# Allegro board DPU_PoE_A1_SizeReduce.brd (continued)
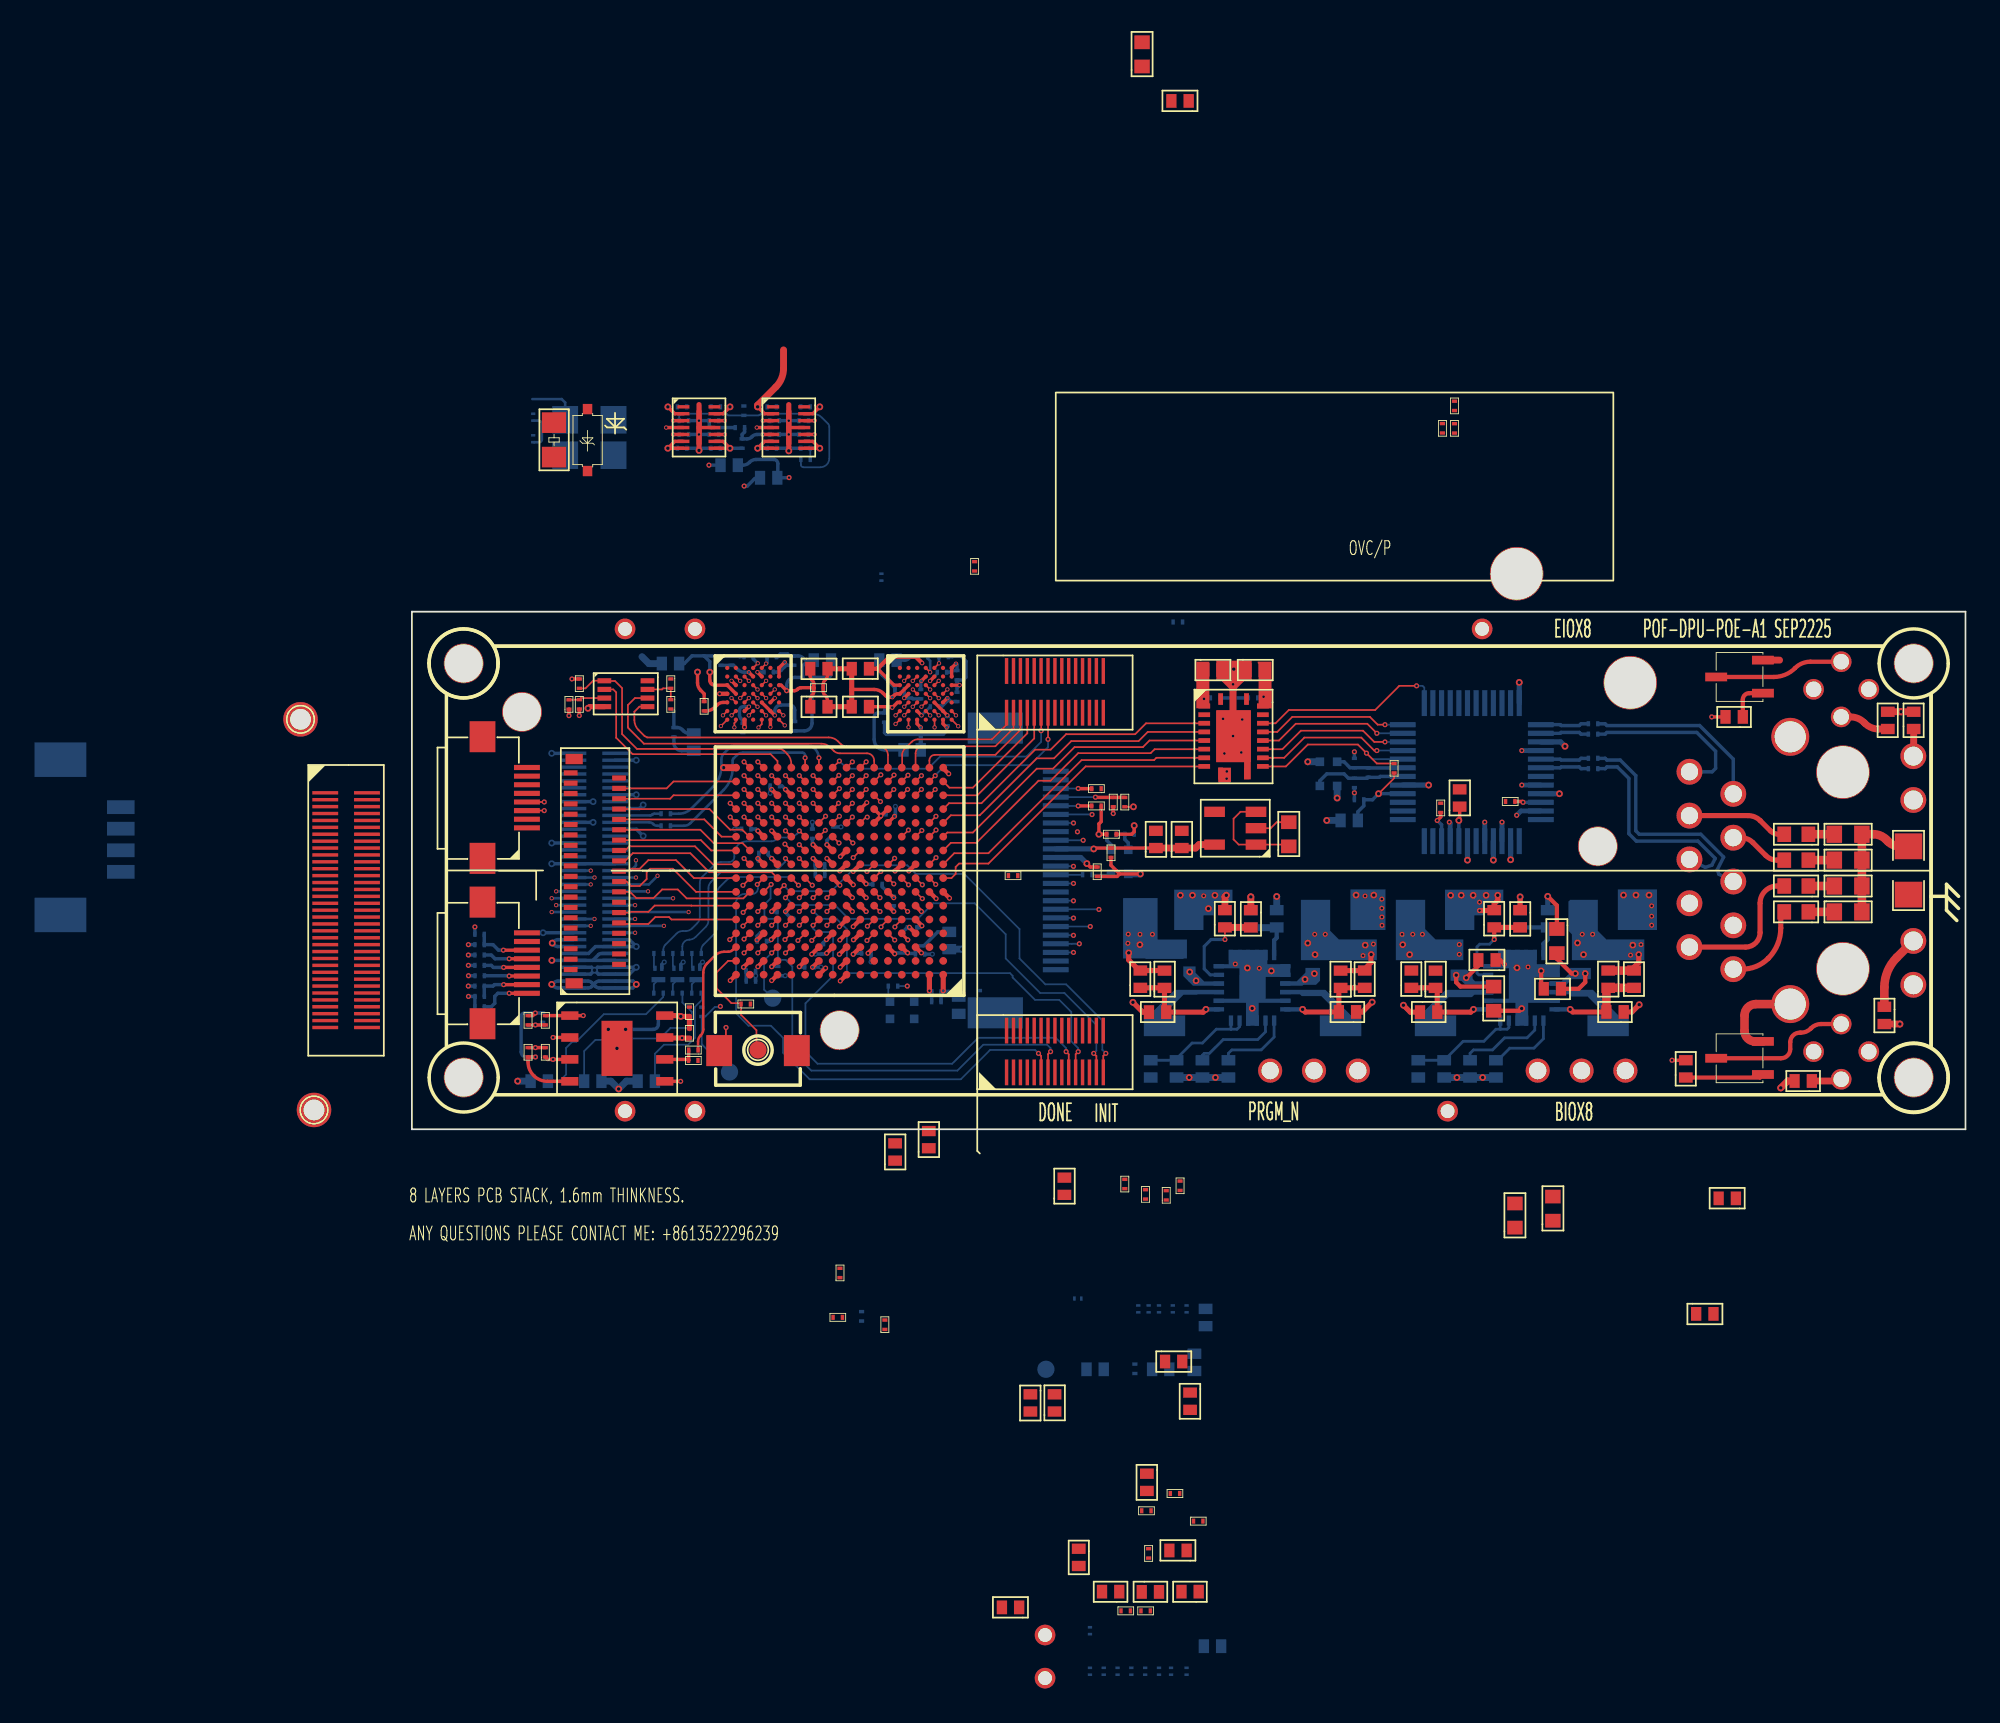
[diagram p0: board, top side]
## Routing (per net, layer and track width the routed paths; a pad name or vN(x,y) marks a point on that pad's centre or on a via; arc(x,y) is an arc through that point) (continued)
IO-7: length 8.1
  TOP w0.102: Y1.28 16.71,17.36 17.49,16.58 19.16,16.58 19.58,16.16 19.58,16.12
IO-8: length 7
  TOP w0.102: Y1.26 16.74,16.76 17.34,16.16 18.78,16.16
IO-9: length 7.3
  TOP w0.102: 12,16.16 12.36,16.16 12.6,16.4 16.4,16.4 17.44,15.36 U7.J16
IO-10: length 10
  TOP w0.102: U7.H13 20.84,14.9 17.23,14.9 16.13,16 12.8,16 12.36,15.56 Y1.22
IO-11: length 7.5
  TOP w0.102: Y1.20 12.56,14.96 12.7,15.1 13.2,15.1 13.7,15.6 15.3,15.6 16.34,14.56 U7.H16
IO-12: length 8.1
  TOP w0.102: U7.G16 16.46,13.76 15.12,15.1 13.8,15.1 13.6,14.9 13.6,14.5 13.2,14.1 12.7,14.1 12.44,14.36 Y1.18
IO-13: length 8.3
  TOP w0.102: Y1.16 12.64,13.76 13,13.4 14,13.4 14.5,13.9 15.4,13.9 15.92,13.38 19.2,13.38 U7.G15
IO-14: length 7
  TOP w0.102: Y1.12 12.56,12.56 12.6,12.6 13.7,12.6 14.07,12.97 16.19,12.97 16.19,12.96 U7.F16
IO-15: length 7
  TOP w0.102: U7.E16 15.04,12.16 14.9,12.3 14.1,12.3 13.7,11.9 12.06,11.9 Y1.10
IO_E10: length 27.2
  TOP w0.102: v1(23.24,11.82) U7.E10 ; J4.19 38.05,4.35 v1(37.9,4.5)
  BOTTOM w0.102: v1(37.9,4.5) 37.9,4.7 37.3,5.3 32.8,5.3 31.3,3.8 23.5,3.8 22.8,4.5 22.8,7.3 24.4,8.9 24.4,11.33 24.3,11.43 23.45,11.43 23.24,11.64 v1(23.24,11.82)
IO_F10: length 23.1
  TOP w0.102: J4.21 38.45,4.35 v1(38.6,4.5) ; v1(23.24,12.62) U7.F10
  BOTTOM w0.102: v1(23.24,12.62) 23.28,12.62 23.7,12.2 24.6,12.2 25.2,11.6 25.2,9.15 25.3,9.05 34.65,9.05 34.8,8.9 34.8,8.8 36.1,7.5 37.5,7.5 38.2,6.8 38.2,5.1 38.6,4.7 v1(38.6,4.5)
IO_G12: length 26
  TOP w0.102: v1(21.64,13.42) U7.G12 ; J4.27 39.65,4.25 v1(39.5,4.4)
  BOTTOM w0.102: v1(21.64,13.42) 21.68,13.42 22.1,13 24.5,13 25.3,12.2 29.3,12.2 30.2,13.1 32.6,13.1 34.4,11.3 34.4,9.9 36.4,7.9 37.8,7.9 39.65,6.05 39.65,4.55 v1(39.5,4.4)
IO_G13: length 27.6
  TOP w0.102: v1(40.2,4.4) 40.05,4.25 J4.29 ; v1(21.56,14.13) 21.55,14.13 U7.G13
  BOTTOM w0.102: v1(21.56,14.13) 21.58,14.12 21.58,14.09 21.87,13.8 24.3,13.8 25.8,15.3 28.7,15.3 29.2,14.8 32,14.8 35.2,11.6 35.2,9.9 36.7,8.4 37.9,8.4 40,6.3 40,4.6 v1(40.2,4.4)
IO_G14: length 29.2
  TOP w0.102: v1(37,4.5) 36.85,4.35 J4.13 ; U7.G14 v1(20.81,14.19)
  BOTTOM w0.102: v1(20.81,14.19) 20.78,14.16 20.78,13.38 20.42,13.02 20.42,12.38 20.6,12.2 21.1,12.2 21.2,12.1 21.2,10.01 21.39,9.82 21.65,9.82 22.04,9.43 22.04,4.5 23.14,3.4 31.6,3.4 33.1,4.9 36.8,4.9 37,4.7 v1(37,4.5)
IO_H14: length 30.5
  TOP w0.102: J4.11 36.45,4.25 v1(36.3,4.4) ; v1(20.01,14.19) U7.H14
  BOTTOM w0.102: v1(36.3,4.4) 36.1,4.6 33.5,4.6 31.8,2.9 23.04,2.9 21.5,4.44 21.5,5.3 20.8,6 19.5,6 18.78,6.72 18.78,13.13 arc(18.93,13.49) 19.29,13.64 19.73,13.64 arc(19.95,13.73) 20.04,13.95 20.04,14.16 v1(20.01,14.19)
IO_LED_1: length 13
  TOP w0.102: v1(22.44,17.3) U7.L11
  BOTTOM w0.102: R80.1 14.56,10.39 arc(14.6,10.56) 14.69,10.7 15.33,11.34 arc(15.5,11.45) 15.69,11.49 15.87,11.49 arc(16.06,11.53) 16.23,11.64 16.53,11.94 arc(16.64,12.11) 16.68,12.3 16.68,14.28 arc(16.72,14.47) 16.83,14.64 17.53,15.34 arc(17.7,15.45) 17.89,15.49 18.38,15.49 arc(18.59,15.58) 18.68,15.79 18.68,15.97 arc(18.89,16.48) 19.4,16.69 20.83,16.69 arc(20.97,16.72) 21.08,16.79 21.1,16.81 arc(21.21,16.89) 21.35,16.91 21.79,16.91 arc(22.08,16.97) 22.33,17.14 22.44,17.25 22.44,17.26
IO_LED_2: length 10.3
  TOP w0.102: U7.J12 v1(21.64,15.7)
  BOTTOM w0.102: 21.64,15.66 21.64,15.58 arc(21.63,15.53) 21.6,15.48 21.26,15.14 arc(21.09,15.03) 20.9,14.99 18.91,14.99 18.91,14.99 18.19,14.99 arc(18,14.95) 17.83,14.84 17.33,14.34 arc(17.22,14.17) 17.18,13.98 17.18,12.1 arc(17.14,11.91) 17.03,11.74 16.43,11.14 arc(16.26,11.03) 16.07,10.99 arc(15.78,10.87) 15.66,10.59 R79.1
IO_LED_3: length 9.8
  TOP w0.102: v1(22.39,14.14) U7.H12
  BOTTOM w0.102: R78.1 16.77,10.39 arc(16.8,10.56) 16.89,10.7 17.53,11.34 arc(17.64,11.51) 17.68,11.7 17.68,13.68 arc(17.72,13.87) 17.83,14.04 18.21,14.42 arc(18.43,14.57) 18.7,14.62 21.92,14.62 v1(22.39,14.14)
IO_P1: length 8.1
  TOP w0.102: J2.9 36.05,22.65 32.76,19.36 U7.P1
IO_R1: length 7.5
  TOP w0.102: J2.7 35.65,22.95 32.5,19.8 31.14,19.8 30.78,20.16
IO_R2: length 9.7
  TOP w0.102: v1(30.32,20.5) 29.98,20.16 ; v1(36.85,22.6) J2.13
  BOTTOM w0.102: v1(36.85,22.6) 36.85,22.15 35.8,21.1 30.9,21.1 30.32,20.52 v1(30.32,20.5)
  BOTTOM w0.2: 30.32,20.46 v1(30.32,20.5)
IO_T2: length 7.5
  TOP w0.102: U7.T2 29.98,21.38 arc(30.07,21.61) 30.3,21.7 33.8,21.7 35.25,23.15 J2.5
  TOP w0.12: U7.T2 29.98,20.92
IO_T3: length 8.1
  TOP w0.102: U7.T3 29.18,21.78 arc(29.3,22.08) 29.6,22.2 33.8,22.2 34.85,23.25 J2.3
  TOP w0.12: U7.T3 29.18,20.92
IO_T4: length 8.3
  TOP w0.102: J2.1 34.45,23.45 33.6,22.6 29.31,22.6 arc(29.12,22.56) 28.95,22.45 28.55,22.05 arc(28.44,21.88) 28.4,21.69 28.4,20.98 U7.T4
  TOP w0.12: U7.T4 28.38,20.92
IO_T9: length 14.7
  TOP w0.102: J2.11 v1(36.45,23.1) ; v1(24.77,21.34) U7.T9
  BOTTOM w0.102: v1(36.45,23.1) 36.45,22.45 35.6,21.6 30.6,21.6 29.9,20.9 25.21,20.9 v1(24.77,21.34)
IR_1V8: length 6.2
  TOP w0.2: U5.13 18.03,41.47 v3(18.43,41.87)
  BOTTOM w0.2: 10.48,9.79 J7.9 v3(8.11,9.79) ; 10.48,9.79 10.82,10.13 arc(10.89,10.17) 10.96,10.19 J7.12 ; 10.48,9.79 J7.10
IR_1V8_EN: length 14.5
  TOP w0.2: U5.3 v2(15.13,41.07)
  BOTTOM w0.102: R74.2 22.54,38.51 arc(22.58,38.41) 22.68,38.37 23.67,38.37 arc(24.03,38.52) 24.18,38.88 24.18,40.72 arc(24.16,40.81) 24.11,40.89 23.75,41.25 arc(23.51,41.41) 23.22,41.47 20.29,41.47 arc(20.23,41.46) 20.19,41.43 20.18,41.42 arc(20.13,41.39) 20.08,41.38 C108.2 18.32,41.38 18.23,41.47 15.68,41.47 arc(15.54,41.41) 15.49,41.28 R71.2
  BOTTOM w0.2: v2(15.13,41.07) R71.2
IR_3V3: length 5.8
  TOP w0.2: U6.9 23.23,39.87 v3(23.63,39.47) U6.8
  BOTTOM w0.102: R74.1 23.08,39.46 C118.2
  BOTTOM w0.2: J7.15 8.45,10.99 arc(8.34,10.97) 8.24,10.9 v3(8.13,10.79) 8.24,10.68 arc(8.34,10.61) 8.45,10.59 J7.13 ; C118.2 v3(23.63,39.47)
IR_3V3_EN: length 3
  TOP w0.2: U6.5 v2(20.33,40.27)
  BOTTOM w0.2: C112.2 19.27,40.41 19.13,40.27 R75.2 19.41,40.01 arc(19.56,40.04) 19.69,40.13 19.72,40.16 arc(19.84,40.24) 19.99,40.27 v2(20.33,40.27) R72.2
IR_5V0: length 13.6
  TOP w0.2: U5.9 18.03,39.87 v3(18.43,39.47) U5.8
  BOTTOM w0.2: 10.53,8.39 10.64,8.28 arc(10.74,8.21) 10.85,8.19 J7.2 12.79,8.19 v3(13,8.4) 12.81,8.59 J7.4 10.85,8.59 arc(10.74,8.57) 10.64,8.5 10.53,8.39 ; 10.53,8.39 10.42,8.28 arc(10.32,8.21) 10.21,8.19 J7.1 8.45,8.19 arc(8.34,8.21) 8.24,8.28 8.12,8.4 ; 10.53,8.39 10.42,8.5 arc(10.32,8.57) 10.21,8.59 J7.3 8.45,8.59 arc(8.34,8.57) 8.24,8.5 8.14,8.4 8.12,8.4 ; R75.1 v3(18.43,39.47) C120.2 ; 8.12,8.4 v3(8.1,8.4)
IR_D0: length 14.4
  TOP w0.102: v1(19.18,11.78) 19.56,12.16 U7.E15
  SIG-3 w0.102: v1(19.18,11.78) 19.34,11.62 19.4,11.62 arc(19.5,11.64) 19.58,11.69 19.67,11.78 arc(19.74,11.94) 19.67,12.1 arc(19.57,12.17) 19.45,12.19 18.88,12.19 arc(18.77,12.15) 18.73,12.04 18.73,11.82 arc(18.7,11.75) 18.63,11.72 18.45,11.72 18.38,11.79 18.38,12.04 arc(18.34,12.15) 18.23,12.19 18.22,12.19 arc(18.09,12.16) 17.98,12.09 17.65,11.76 arc(17.62,11.69) 17.65,11.62 17.75,11.52 arc(17.79,11.41) 17.75,11.31 17.68,11.24 arc(17.58,11.2) 17.48,11.24 17.35,11.37 17.23,11.37 17.11,11.25 17.08,11.11 17.08,10.89 arc(17.04,10.78) 16.93,10.74 16.6,10.74 16.53,10.81 16.53,10.85 16.42,10.96 16.35,10.96 16.11,10.72 15.9,10.72 15.83,10.79 15.83,11.06 15.78,11.11 15.5,11.11 15.48,11.09 15.48,10.95 arc(15.46,10.85) 15.4,10.76 15.38,10.74 arc(15.28,10.7) 15.18,10.74 15.14,10.78 arc(15.1,10.85) 15.08,10.93 15.08,11.04 15.01,11.11 14.8,11.11 14.78,11.09 14.78,10.84 arc(14.75,10.77) 14.68,10.74 14.48,10.74 arc(14.41,10.77) 14.38,10.84 14.38,10.93 14.21,11.1 14.09,11.1 arc(14.05,11.03) 14.03,10.95 14.03,10.84 arc(14,10.77) 13.93,10.74 13.73,10.74 arc(13.66,10.77) 13.63,10.84 13.63,10.96 13.53,11.06 13.41,11.06 13.28,10.93 arc(13.26,10.85) 13.22,10.78 13.21,10.77 arc(13.11,10.73) 13,10.77 12.99,10.78 arc(12.95,10.85) 12.93,10.93 v2(12.93,11.39)
  BOTTOM w0.15: J7.18 v2(12.93,11.39)
IR_D1: length 15.2
  TOP w0.102: v1(21.64,11.82) U7.E12
  SIG-3 w0.102: v2(10.36,11.79) 10.58,11.79 arc(10.83,11.69) 10.93,11.44 10.93,10.29 arc(10.96,10.22) 11.03,10.19 18.19,10.19 18.6,10.6 21,10.6 21.3,10.9 21.3,11.48 v1(21.64,11.82)
  BOTTOM w0.15: J7.19 v2(10.36,11.79)
IR_D2: length 15.3
  TOP w0.102: v1(24.04,12.62) U7.F9
  SIG-3 w0.102: v1(24.04,12.62) 24.04,12.6 23.72,12.27 arc(23.58,12.21) 23.44,12.19 22.98,12.19 arc(22.87,12.15) 22.83,12.04 22.83,11.62 arc(22.81,11.5) 22.74,11.4 22.73,11.39 arc(22.45,11.28) 22.18,11.39 22.12,11.45 arc(22.09,11.49) 22.08,11.55 22.08,11.89 arc(21.99,12.1) 21.78,12.19 20.58,12.19 arc(20.47,12.23) 20.43,12.34 20.43,12.79 arc(20.37,12.94) 20.22,13 18.14,13 arc(17.86,12.95) 17.63,12.79 16.78,11.94 arc(16.61,11.83) 16.42,11.79 v2(14.6,11.79)
  BOTTOM w0.15: J7.20 v2(14.6,11.79)
IR_D3: length 15.2
  TOP w0.102: v1(20.84,11.82) U7.E13
  SIG-3 w0.102: v2(10.58,12.19) 10.78,12.19 arc(11.13,12.04) 11.28,11.69 11.28,10.59 arc(11.31,10.52) 11.38,10.49 11.63,10.49 arc(11.7,10.52) 11.73,10.59 11.73,11.14 arc(11.76,11.21) 11.83,11.24 12.08,11.24 arc(12.15,11.21) 12.18,11.14 12.18,10.69 arc(12.24,10.55) 12.38,10.49 17.39,10.49 18.3,11.4 20.42,11.4 v1(20.84,11.82)
  BOTTOM w0.15: J7.21 v2(10.58,12.19)
IR_D4: length 14.9
  TOP w0.102: U7.G10 v1(23.24,13.42)
  SIG-3 w0.102: v1(23.24,13.42) 23.24,13.38 23,13.14 arc(22.85,13.04) 22.66,13 21.49,13 arc(21.38,13.02) 21.29,13.08 21.18,13.19 21.08,13.19 20.99,13.28 20.99,13.35 20.94,13.4 arc(20.9,13.43) 20.85,13.44 20.83,13.44 arc(20.78,13.43) 20.74,13.4 20.69,13.35 20.69,13.28 20.63,13.23 arc(20.59,13.2) 20.54,13.19 20.52,13.19 20.38,13.33 20.38,13.35 20.33,13.4 arc(20.29,13.43) 20.24,13.44 20.22,13.44 arc(20.17,13.43) 20.13,13.4 19.97,13.24 19.81,13.24 19.77,13.28 19.77,13.35 19.72,13.4 arc(19.68,13.43) 19.63,13.44 19.61,13.44 arc(19.56,13.43) 19.52,13.4 19.36,13.24 19.2,13.24 19.16,13.28 19.16,13.35 19.11,13.4 arc(19.07,13.43) 19.02,13.44 19,13.44 arc(18.95,13.43) 18.91,13.4 18.75,13.24 18.59,13.24 18.55,13.28 18.55,13.35 18.5,13.4 arc(18.46,13.43) 18.41,13.44 18.39,13.44 arc(18.34,13.43) 18.3,13.4 18.14,13.24 17.98,13.24 17.94,13.28 17.94,13.35 17.89,13.4 arc(17.85,13.43) 17.8,13.44 17.78,13.44 arc(17.73,13.43) 17.69,13.4 17.64,13.35 17.64,13.28 17.59,13.23 arc(17.54,13.2) 17.5,13.19 17.28,13.19 arc(17.14,13.13) 17.08,12.99 17.08,12.86 17.12,12.82 17.12,12.71 17.01,12.6 16.91,12.6 16.86,12.65 16.79,12.65 arc(16.74,12.64) 16.7,12.61 16.68,12.59 arc(16.66,12.55) 16.65,12.5 16.65,12.43 16.69,12.38 16.69,12.28 16.58,12.17 16.48,12.17 16.43,12.21 16.3,12.21 16.28,12.19 16.13,12.09 15.81,12.09 15.66,12.19 15.51,12.34 arc(15.43,12.37) 15.35,12.34 15.2,12.19 arc(15.13,12.16) 15.05,12.19 14.9,12.34 arc(14.82,12.37) 14.74,12.34 14.59,12.19 14.44,12.19 14.29,12.34 arc(14.21,12.37) 14.13,12.34 14.09,12.3 arc(13.97,12.22) 13.83,12.19 v2(12.93,12.19)
  BOTTOM w0.15: J7.22 v2(12.93,12.19)
IR_D5: length 16
  TOP w0.102: U7.F15 v1(19.19,12.57)
  SIG-3 w0.102: v1(19.19,12.57) 19.16,12.6 18.35,12.6 arc(18.06,12.54) 17.82,12.38 17.03,11.59 arc(16.84,11.46) 16.61,11.41 13.67,11.41 13.33,11.52 13.09,11.77 12.97,11.77 12.82,11.79 12.09,11.79 arc(11.9,11.83) 11.73,11.94 11.23,12.44 arc(11.06,12.55) 10.87,12.59 10.33,12.59 arc(10.12,12.5) 10.03,12.29 10.03,11.44 arc(10,11.37) 9.93,11.34 8.78,11.34 arc(8.71,11.37) 8.68,11.44 8.68,12.49 arc(8.65,12.56) 8.58,12.59 v2(8.1,12.59)
  BOTTOM w0.15: J7.23 v2(8.1,12.59)
IR_D6: length 6.8
  TOP w0.102: v1(24.04,11.82) U7.E9
  SIG-3 w0.102: 17.6,13.74 17.44,13.74 arc(17.25,13.7) 17.08,13.59 16.08,12.59 v2(16.03,12.59)
  BOTTOM w0.15: J7.24 v2(16.03,12.59)
IR_D7: length 15.3
  TOP w0.102: v1(19.18,14.14) 19.56,14.52 19.58,14.52
  SIG-3 w0.102: v1(19.18,14.14) 17.24,14.14 arc(17.05,14.1) 16.88,13.99 15.68,12.79 arc(15.47,12.65) 15.22,12.6 12.24,12.6 arc(11.99,12.65) 11.78,12.79 11.73,12.84 arc(11.56,12.95) 11.37,12.99 9.98,12.99 arc(9.77,12.9) 9.68,12.69 9.68,11.82 arc(9.65,11.75) 9.58,11.72 9.15,11.72 9.08,11.79 9.08,12.74 arc(9.01,12.92) 8.83,12.99 v2(8.36,12.99)
  BOTTOM w0.15: J7.25 v2(8.36,12.99)
IR_D8: length 15.3
  TOP w0.102: v1(24.04,13.42) U7.G9
  SIG-3 w0.102: v2(12.93,12.99) 15.12,12.99 arc(15.31,13.03) 15.48,13.14 16.73,14.39 arc(16.9,14.5) 17.09,14.54 19.01,14.54 19.79,14.54 19.88,14.62 20.21,14.62 20.29,14.54 20.59,14.54 20.64,14.59 20.98,14.59 21.02,14.54 22.56,14.54 22.72,14.39 22.89,14.39 23.04,14.54 23.82,14.54 23.83,14.54 24.16,14.54 24.17,14.54 24.24,14.54 arc(24.43,14.47) 24.5,14.28 24.5,13.7 24.22,13.42 v1(24.04,13.42)
  BOTTOM w0.15: J7.26 v2(12.93,12.99)
IR_D9: length 15.8
  TOP w0.102: v1(19.24,15.7) U7.J15
  SIG-3 w0.102: v2(8.1,13.39) 9.13,13.39 arc(9.2,13.36) 9.23,13.29 9.23,13.14 arc(9.26,13.07) 9.33,13.04 9.41,13.04 arc(9.47,13.05) 9.52,13.08 9.53,13.1 arc(9.57,13.15) 9.58,13.2 9.58,13.24 arc(9.62,13.35) 9.73,13.39 10.32,13.39 10.47,13.24 10.62,13.24 10.7,13.32 10.7,13.41 10.78,13.49 10.93,13.49 11.08,13.34 11.34,13.34 11.39,13.39 11.88,13.39 11.98,13.29 11.98,13.09 12.13,12.94 12.43,12.94 12.53,13.04 12.53,13.29 12.64,13.4 13.45,13.4 13.59,13.27 13.77,13.27 13.89,13.39 14.37,13.39 arc(14.56,13.43) 14.73,13.54 16.33,15.14 arc(16.5,15.25) 16.69,15.29 17.39,15.29 arc(17.43,15.3) 17.48,15.33 17.49,15.34 arc(17.52,15.38) 17.53,15.43 17.53,15.5 arc(17.54,15.55) 17.57,15.59 17.58,15.6 arc(17.62,15.63) 17.67,15.64 17.69,15.64 arc(17.74,15.63) 17.78,15.6 17.79,15.59 arc(17.82,15.55) 17.83,15.5 17.83,15.43 arc(17.84,15.38) 17.87,15.34 17.88,15.33 arc(17.93,15.3) 17.97,15.29 18.84,15.29 v1(19.24,15.7)
  BOTTOM w0.15: J7.27 v2(8.1,13.39)
IR_D10: length 15.4
  TOP w0.102: v1(25.57,15.74) 25.98,16.16
  SIG-3 w0.102: v1(25.57,15.74) 25.57,15.66 25.24,15.34 24.69,15.34 arc(24.5,15.3) 24.33,15.19 24.16,15.02 arc(24,14.91) 23.8,14.88 22.77,14.88 arc(22.7,14.89) 22.64,14.93 22.63,14.94 arc(22.57,14.98) 22.51,14.99 19.44,14.99 arc(19.38,14.98) 19.34,14.95 19.32,14.93 arc(19.27,14.9) 19.22,14.89 16.84,14.89 arc(16.64,14.85) 16.48,14.74 v2(15.13,13.39)
  BOTTOM w0.15: J7.28 v2(15.13,13.39)
IR_D11: length 15.8
  TOP w0.102: 21.98,16.16 v1(21.61,16.53)
  SIG-3 w0.102: v2(8.36,13.79) 12.97,13.79 arc(13.16,13.83) 13.33,13.94 13.55,14.16 arc(13.58,14.18) 13.62,14.19 14.17,14.19 arc(14.36,14.23) 14.53,14.34 16.53,16.34 arc(16.7,16.45) 16.89,16.49 21.57,16.49 v1(21.61,16.53)
  BOTTOM w0.15: J7.29 v2(8.36,13.79)
IR_D12: length 15.4
  TOP w0.102: v1(22.44,15.7) U7.J11
  SIG-3 w0.102: v2(13.68,13.79) 14.32,13.79 arc(14.51,13.83) 14.68,13.94 16.63,15.89 arc(16.8,16) 16.99,16.04 23.53,16.04 arc(23.6,16.01) 23.63,15.94 23.63,15.48 arc(23.61,15.35) 23.54,15.25 arc(23.19,15.11) 22.85,15.25 22.44,15.66 v1(22.44,15.7)
  BOTTOM w0.15: J7.30 v2(13.68,13.79)
IR_D13: length 15.1
  TOP w0.102: v1(21.64,17.3) U7.L12
  SIG-3 w0.102: v2(10.36,14.19) 12.92,14.19 arc(13.11,14.23) 13.28,14.34 14.08,15.14 arc(14.19,15.31) 14.23,15.5 14.23,16.33 arc(14.42,16.8) 14.89,16.99 arc(15.02,16.97) 15.12,16.9 arc(15.36,16.8) 15.59,16.9 15.83,17.14 arc(16.01,17.26) 16.21,17.3 19.04,17.3 arc(19.23,17.34) 19.38,17.44 19.48,17.54 arc(19.65,17.65) 19.84,17.69 21.25,17.69 v1(21.64,17.3)
  BOTTOM w0.15: J7.31 v2(10.36,14.19)
IR_D14: length 15.1
  TOP w0.102: 22.78,16.16 v1(22.44,16.5)
  SIG-3 w0.102: v2(14.23,14.69) 14.93,15.39 14.93,15.51 14.6,15.84 14.6,15.96 14.69,16.05 14.82,16.05 15.14,15.73 15.27,15.73 15.36,15.82 15.36,15.94 15.03,16.27 15.03,16.39 15.12,16.48 15.25,16.48 15.57,16.16 15.7,16.16 16.53,16.99 16.68,16.99 16.83,16.84 16.99,16.84 17.14,16.99 17.29,16.99 17.44,16.84 17.6,16.84 17.75,16.99 17.9,16.99 18.05,16.84 18.21,16.84 18.36,16.99 18.51,16.99 18.66,16.84 18.82,16.84 18.97,16.99 19.12,16.99 19.21,16.9 22.04,16.9 v1(22.44,16.5)
  BOTTOM w0.15: v2(14.23,14.69) 13.73,14.19 J7.32
IR_D15: length 15.1
  TOP w0.102: U7.M16 v1(18.44,18.1)
  SIG-3 w0.102: v1(18.44,18.1) 18.44,18.1 15.07,18.1 arc(14.93,18.13) 14.81,18.21 14.23,18.79 arc(14.06,18.9) 13.87,18.94 12.98,18.94 arc(12.77,18.85) 12.68,18.64 12.68,18.35 arc(12.64,18.16) 12.53,17.99 12.38,17.84 arc(12.27,17.67) 12.23,17.48 12.23,17.24 arc(12.38,16.89) 12.73,16.74 13.03,16.74 arc(13.24,16.65) 13.33,16.44 13.33,15.44 arc(13.24,15.23) 13.03,15.14 12.19,15.14 arc(12,15.1) 11.83,14.99 11.58,14.74 arc(11.41,14.63) 11.22,14.59 v2(10.58,14.59)
  BOTTOM w0.15: J7.33 v2(10.58,14.59)
IR_HSYNC: length 15.5
  TOP w0.102: v1(19.24,18.1) U7.M15
  SIG-3 w0.102: v1(19.24,18.1) 18.79,17.64 15.64,17.64 arc(15.58,17.63) 15.54,17.6 15.52,17.58 arc(15.48,17.55) 15.42,17.54 14.68,17.54 arc(14.61,17.57) 14.58,17.64 14.58,17.7 arc(14.55,17.83) 14.48,17.94 13.93,18.49 arc(13.63,18.61) 13.33,18.49 13.18,18.34 arc(13.15,18.27) 13.18,18.19 13.2,18.17 arc(13.34,18.07) 13.51,18.04 13.7,18.04 arc(13.82,18.02) 13.92,17.95 13.93,17.94 arc(13.97,17.84) 13.93,17.74 13.92,17.73 arc(13.82,17.66) 13.7,17.64 12.89,17.64 arc(12.81,17.62) 12.74,17.58 arc(12.69,17.45) 12.74,17.33 12.81,17.26 arc(12.89,17.21) 12.97,17.19 13.83,17.19 arc(13.9,17.16) 13.93,17.09 13.93,17.03 arc(13.9,16.9) 13.83,16.79 13.81,16.77 arc(13.73,16.66) 13.71,16.52 13.71,15.59 arc(13.65,15.29) 13.48,15.04 13.03,14.59 v2(12.98,14.59)
  BOTTOM w0.15: J7.34 v2(12.98,14.59)
IR_PCLK: length 15.2
  TOP w0.102: v1(20.04,18.1) U7.M14
  SIG-3 w0.102: v2(12.98,15.59) 12.98,15.89 arc(12.95,15.96) 12.88,15.99 12.18,15.99 arc(11.93,16.09) 11.83,16.34 11.83,17.64 arc(11.87,17.82) 11.97,17.98 11.99,18 arc(12.09,18.16) 12.13,18.34 12.13,19.14 arc(12.19,19.28) 12.33,19.34 14.12,19.34 arc(14.31,19.3) 14.48,19.19 15.03,18.64 arc(15.18,18.54) 15.37,18.5 19.64,18.5 v1(20.04,18.1)